# KiCad board panel-74pad-70pin-mezzanine.kicad_pcb (continued)
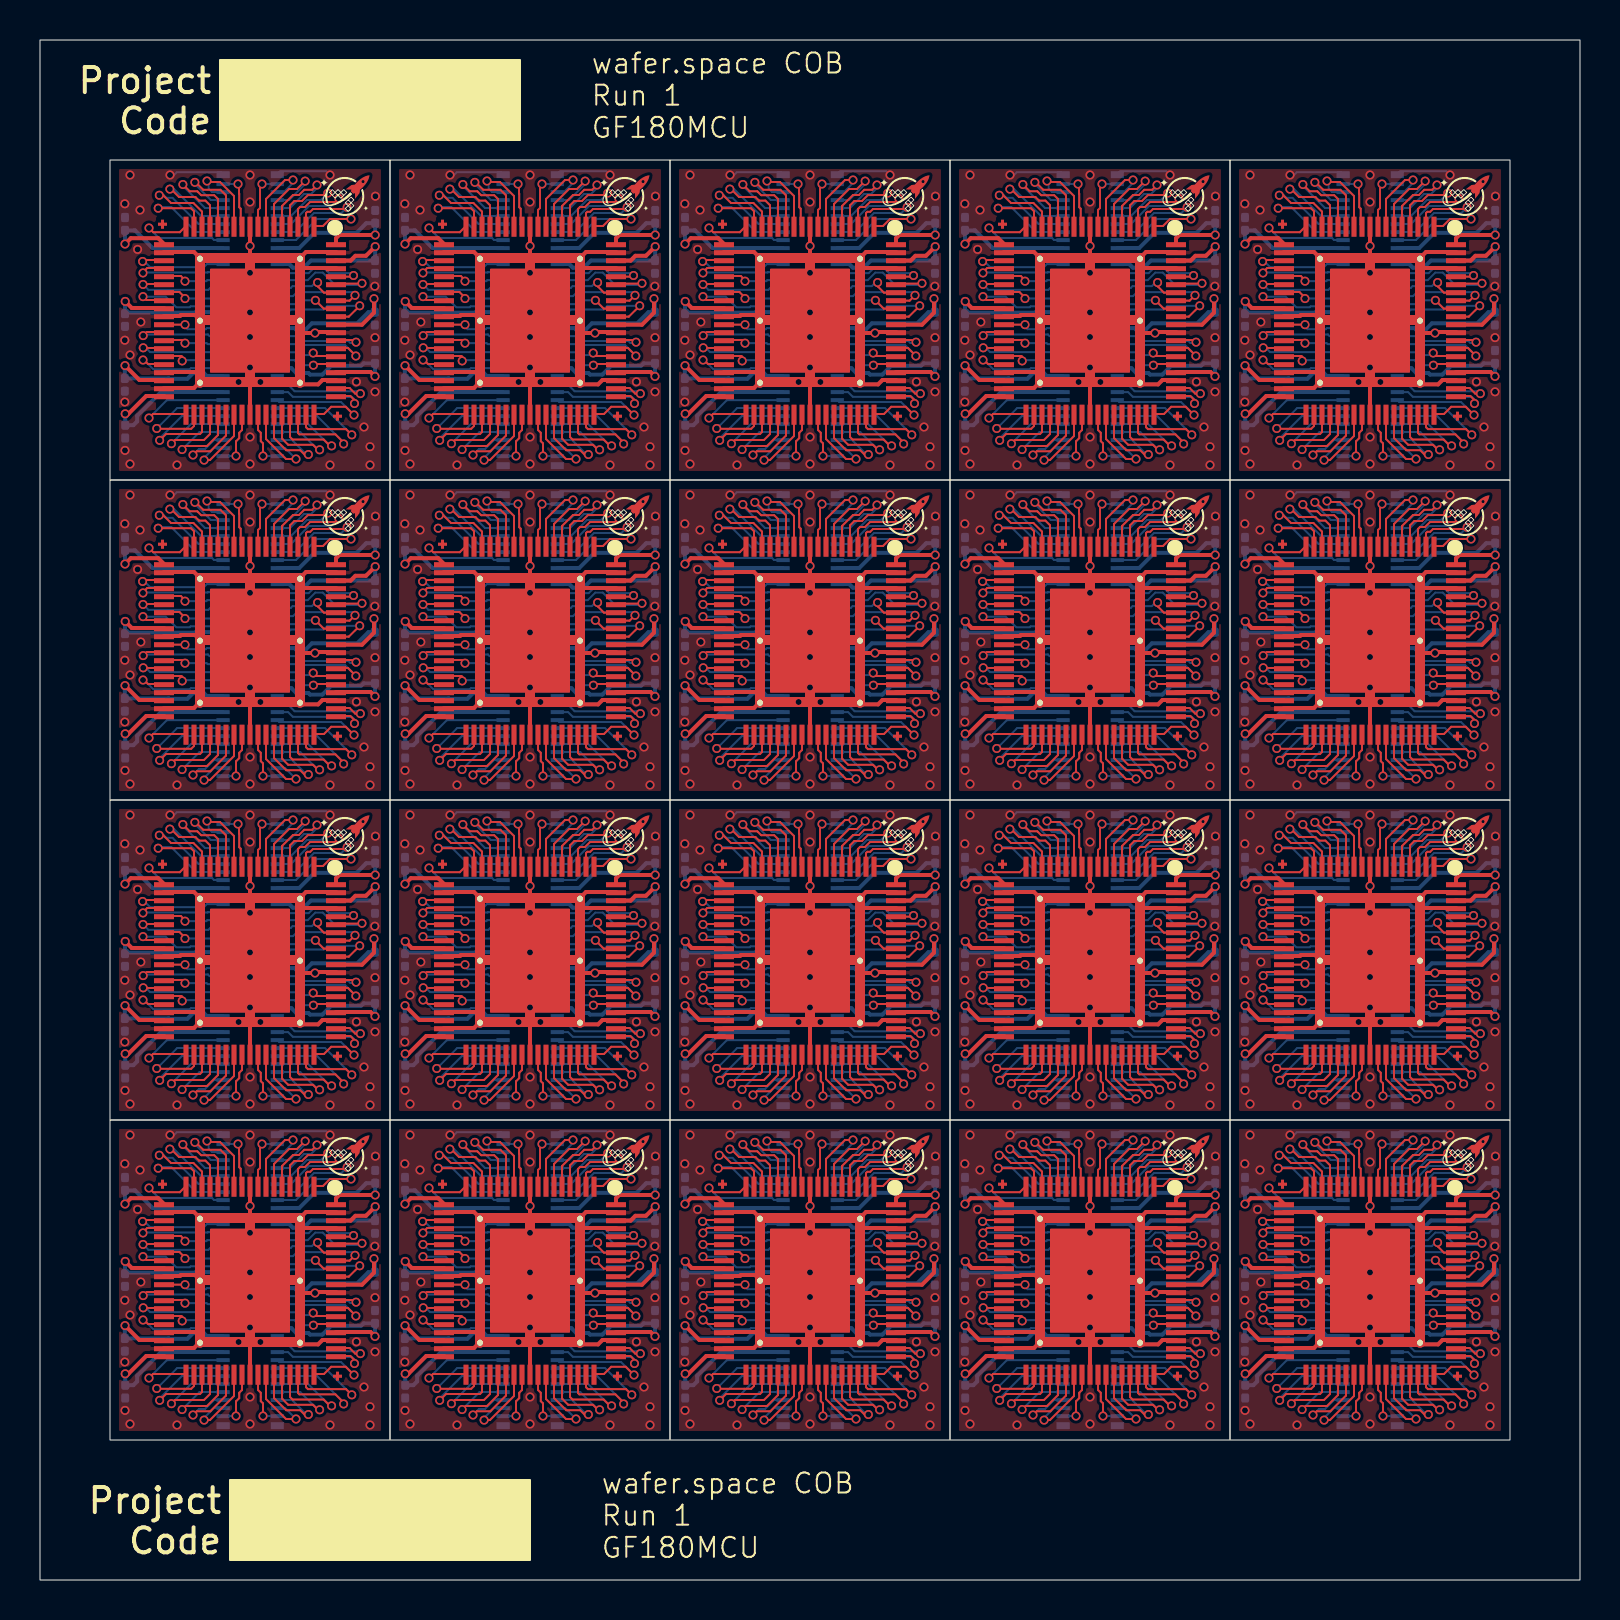
[diagram p0: board, top side]
## Routing (per net, layer and track width the routed paths; a pad name or vN(x,y) marks a point on that pad's centre or on a via; arc(x,y) is an arc through that point) (continued)
/pad_14: length 139.4
  Top w0.1: v1(19.97,21.24) 20.16,21.24 20.55,20.85 21.67,20.85 22.1,20.42 22.1,19.7 ; v1(33.97,53.24) 34.16,53.24 34.55,52.85 35.67,52.85 36.1,52.42 36.1,51.7 ; v1(47.97,21.24) 48.16,21.24 48.55,20.85 49.67,20.85 50.1,20.42 50.1,19.7 ; 64.1,35.7 64.1,36.42 63.67,36.85 62.55,36.85 62.16,37.24 v1(61.97,37.24) ; 8.1,35.7 8.1,36.42 7.67,36.85 6.55,36.85 6.16,37.24 v1(5.97,37.24) ; 50.1,35.7 50.1,36.42 49.67,36.85 48.55,36.85 48.16,37.24 v1(47.97,37.24) ; 22.1,51.7 22.1,52.42 21.67,52.85 20.55,52.85 20.16,53.24 v1(19.97,53.24) ; 64.1,67.7 64.1,68.42 63.67,68.85 62.55,68.85 62.16,69.24 v1(61.97,69.24) ; 8.1,19.7 8.1,20.42 7.67,20.85 6.55,20.85 6.16,21.24 v1(5.97,21.24) ; 8.1,51.7 8.1,52.42 7.67,52.85 6.55,52.85 6.16,53.24 v1(5.97,53.24) ; v1(33.97,21.24) 34.16,21.24 34.55,20.85 35.67,20.85 36.1,20.42 36.1,19.7 ; v1(19.97,69.24) 20.16,69.24 20.55,68.85 21.67,68.85 22.1,68.42 22.1,67.7 ; v1(5.97,69.24) 6.16,69.24 6.55,68.85 7.67,68.85 8.1,68.42 8.1,67.7 ; 36.1,35.7 36.1,36.42 35.67,36.85 34.55,36.85 34.16,37.24 v1(33.97,37.24) ; v1(61.97,21.24) 62.16,21.24 62.55,20.85 63.67,20.85 64.1,20.42 64.1,19.7 ; v1(19.97,37.24) 20.16,37.24 20.55,36.85 21.67,36.85 22.1,36.42 22.1,35.7 ; 50.1,67.7 50.1,68.42 49.67,68.85 48.55,68.85 48.16,69.24 v1(47.97,69.24) ; v1(33.97,69.24) 34.16,69.24 34.55,68.85 35.67,68.85 36.1,68.42 36.1,67.7 ; v1(61.97,53.24) 62.16,53.24 62.55,52.85 63.67,52.85 64.1,52.42 64.1,51.7 ; 50.1,51.7 50.1,52.42 49.67,52.85 48.55,52.85 48.16,53.24 v1(47.97,53.24)
  Bottom w0.1: 9.15,67.8 7.93,67.8 6.62,69.11 6.31,69.11 6.18,69.24 v1(5.97,69.24) ; 65.15,19.8 63.93,19.8 62.62,21.11 62.31,21.11 62.18,21.24 v1(61.97,21.24) ; 23.15,51.8 21.93,51.8 20.62,53.11 20.31,53.11 20.18,53.24 v1(19.97,53.24) ; v1(61.97,69.24) 62.18,69.24 62.31,69.11 62.62,69.11 63.93,67.8 65.15,67.8 ; v1(47.97,37.24) 48.18,37.24 48.31,37.11 48.62,37.11 49.93,35.8 51.15,35.8 ; v1(19.97,69.24) 20.18,69.24 20.31,69.11 20.62,69.11 21.93,67.8 23.15,67.8 ; 65.15,51.8 63.93,51.8 62.62,53.11 62.31,53.11 62.18,53.24 v1(61.97,53.24) ; 51.15,67.8 49.93,67.8 48.62,69.11 48.31,69.11 48.18,69.24 v1(47.97,69.24) ; 23.15,35.8 21.93,35.8 20.62,37.11 20.31,37.11 20.18,37.24 v1(19.97,37.24) ; 51.15,19.8 49.93,19.8 48.62,21.11 48.31,21.11 48.18,21.24 v1(47.97,21.24) ; v1(33.97,69.24) 34.18,69.24 34.31,69.11 34.62,69.11 35.93,67.8 37.15,67.8 ; 9.15,51.8 7.93,51.8 6.62,53.11 6.31,53.11 6.18,53.24 v1(5.97,53.24) ; 9.15,19.8 7.93,19.8 6.62,21.11 6.31,21.11 6.18,21.24 v1(5.97,21.24) ; v1(33.97,53.24) 34.18,53.24 34.31,53.11 34.62,53.11 35.93,51.8 37.15,51.8 ; 9.15,35.8 7.93,35.8 6.62,37.11 6.31,37.11 6.18,37.24 v1(5.97,37.24) ; 65.15,35.8 63.93,35.8 62.62,37.11 62.31,37.11 62.18,37.24 v1(61.97,37.24) ; v1(33.97,37.24) 34.18,37.24 34.31,37.11 34.62,37.11 35.93,35.8 37.15,35.8 ; v1(47.97,53.24) 48.18,53.24 48.31,53.11 48.62,53.11 49.93,51.8 51.15,51.8 ; 37.15,19.8 35.93,19.8 34.62,21.11 34.31,21.11 34.18,21.24 v1(33.97,21.24) ; v1(19.97,21.24) 20.18,21.24 20.31,21.11 20.62,21.11 21.93,19.8 23.15,19.8
/pad_15: length 127.4
  Top w0.1: v1(33.91,20.59) 35.55,20.59 35.7,20.44 35.7,19.7 ; 21.7,35.7 21.7,36.44 21.55,36.59 v1(19.91,36.59) ; 49.7,19.7 49.7,20.44 49.55,20.59 v1(47.91,20.59) ; v1(61.91,20.59) 63.55,20.59 63.7,20.44 63.7,19.7 ; v1(5.91,20.59) 7.55,20.59 7.7,20.44 7.7,19.7 ; v1(19.91,52.59) 21.55,52.59 21.7,52.44 21.7,51.7 ; v1(47.91,52.59) 49.55,52.59 49.7,52.44 49.7,51.7 ; v1(47.91,36.59) 49.55,36.59 49.7,36.44 49.7,35.7 ; v1(47.91,68.59) 49.55,68.59 49.7,68.44 49.7,67.7 ; 63.7,51.7 63.7,52.44 63.55,52.59 v1(61.91,52.59) ; v1(33.91,52.59) 35.55,52.59 35.7,52.44 35.7,51.7 ; v1(33.91,36.59) 35.55,36.59 35.7,36.44 35.7,35.7 ; 7.7,51.7 7.7,52.44 7.55,52.59 v1(5.91,52.59) ; 35.7,67.7 35.7,68.44 35.55,68.59 v1(33.91,68.59) ; 7.7,67.7 7.7,68.44 7.55,68.59 v1(5.91,68.59) ; v1(19.91,68.59) 21.55,68.59 21.7,68.44 21.7,67.7 ; 63.7,67.7 63.7,68.44 63.55,68.59 v1(61.91,68.59) ; 7.7,35.7 7.7,36.44 7.55,36.59 v1(5.91,36.59) ; 63.7,35.7 63.7,36.44 63.55,36.59 v1(61.91,36.59) ; 21.7,19.7 21.7,20.44 21.55,20.59 v1(19.91,20.59)
  Bottom w0.1: v1(61.91,20.59) 61.97,20.65 62.56,20.65 63.81,19.4 65.15,19.4 ; 23.15,35.4 21.81,35.4 20.56,36.65 19.97,36.65 v1(19.91,36.59) ; v1(5.91,68.59) 5.97,68.65 6.56,68.65 7.81,67.4 9.15,67.4 ; v1(61.91,36.59) 61.97,36.65 62.56,36.65 63.81,35.4 65.15,35.4 ; 37.15,67.4 35.81,67.4 34.56,68.65 33.97,68.65 v1(33.91,68.59) ; 65.15,51.4 63.81,51.4 62.56,52.65 61.97,52.65 v1(61.91,52.59) ; 51.15,67.4 49.81,67.4 48.56,68.65 47.97,68.65 v1(47.91,68.59) ; 37.15,35.4 35.81,35.4 34.56,36.65 33.97,36.65 v1(33.91,36.59) ; 23.15,51.4 21.81,51.4 20.56,52.65 19.97,52.65 v1(19.91,52.59) ; 51.15,51.4 49.81,51.4 48.56,52.65 47.97,52.65 v1(47.91,52.59) ; 37.15,51.4 35.81,51.4 34.56,52.65 33.97,52.65 v1(33.91,52.59) ; v1(61.91,68.59) 61.97,68.65 62.56,68.65 63.81,67.4 65.15,67.4 ; v1(5.91,52.59) 5.97,52.65 6.56,52.65 7.81,51.4 9.15,51.4 ; v1(47.91,36.59) 47.97,36.65 48.56,36.65 49.81,35.4 51.15,35.4 ; 51.15,19.4 49.81,19.4 48.56,20.65 47.97,20.65 v1(47.91,20.59) ; v1(33.91,20.59) 33.97,20.65 34.56,20.65 35.81,19.4 37.15,19.4 ; 23.15,19.4 21.81,19.4 20.56,20.65 19.97,20.65 v1(19.91,20.59) ; 9.15,19.4 7.81,19.4 6.56,20.65 5.97,20.65 v1(5.91,20.59) ; 23.15,67.4 21.81,67.4 20.56,68.65 19.97,68.65 v1(19.91,68.59) ; 9.15,35.4 7.81,35.4 6.56,36.65 5.97,36.65 v1(5.91,36.59)
/pad_16: length 120.2
  Top w0.1: 35.3,67.7 34.99,67.39 33.66,67.39 v1(33.45,67.6) ; v1(5.45,51.6) 5.66,51.39 6.99,51.39 7.3,51.7 ; 49.3,51.7 48.99,51.39 47.66,51.39 v1(47.45,51.6) ; 35.3,19.7 34.99,19.39 33.66,19.39 v1(33.45,19.6) ; v1(61.45,51.6) 61.66,51.39 62.99,51.39 63.3,51.7 ; v1(5.45,35.6) 5.66,35.39 6.99,35.39 7.3,35.7 ; 21.3,51.7 20.99,51.39 19.66,51.39 v1(19.45,51.6) ; v1(61.45,67.6) 61.66,67.39 62.99,67.39 63.3,67.7 ; 35.3,35.7 34.99,35.39 33.66,35.39 v1(33.45,35.6) ; 63.3,19.7 62.99,19.39 61.66,19.39 v1(61.45,19.6) ; v1(5.45,19.6) 5.66,19.39 6.99,19.39 7.3,19.7 ; v1(47.45,19.6) 47.66,19.39 48.99,19.39 49.3,19.7 ; 49.3,35.7 48.99,35.39 47.66,35.39 v1(47.45,35.6) ; 35.3,51.7 34.99,51.39 33.66,51.39 v1(33.45,51.6) ; 63.3,35.7 62.99,35.39 61.66,35.39 v1(61.45,35.6) ; v1(47.45,67.6) 47.66,67.39 48.99,67.39 49.3,67.7 ; v1(5.45,67.6) 5.66,67.39 6.99,67.39 7.3,67.7 ; v1(19.45,35.6) 19.66,35.39 20.99,35.39 21.3,35.7 ; v1(19.45,19.6) 19.66,19.39 20.99,19.39 21.3,19.7 ; v1(19.45,67.6) 19.66,67.39 20.99,67.39 21.3,67.7
  Bottom w0.1: v1(19.45,19.6) 19.95,19.1 22.6,19.1 22.7,19 23.15,19 ; 37.15,35 36.7,35 36.6,35.1 33.95,35.1 v1(33.45,35.6) ; v1(47.45,51.6) 47.95,51.1 50.6,51.1 50.7,51 51.15,51 ; v1(47.45,35.6) 47.95,35.1 50.6,35.1 50.7,35 51.15,35 ; 23.15,51 22.7,51 22.6,51.1 19.95,51.1 v1(19.45,51.6) ; v1(61.45,19.6) 61.95,19.1 64.6,19.1 64.7,19 65.15,19 ; 65.15,35 64.7,35 64.6,35.1 61.95,35.1 v1(61.45,35.6) ; v1(5.45,35.6) 5.95,35.1 8.6,35.1 8.7,35 9.15,35 ; v1(61.45,51.6) 61.95,51.1 64.6,51.1 64.7,51 65.15,51 ; v1(47.45,67.6) 47.95,67.1 50.6,67.1 50.7,67 51.15,67 ; v1(19.45,35.6) 19.95,35.1 22.6,35.1 22.7,35 23.15,35 ; 23.15,67 22.7,67 22.6,67.1 19.95,67.1 v1(19.45,67.6) ; v1(5.45,67.6) 5.95,67.1 8.6,67.1 8.7,67 9.15,67 ; v1(33.45,19.6) 33.95,19.1 36.6,19.1 36.7,19 37.15,19 ; v1(33.45,67.6) 33.95,67.1 36.6,67.1 36.7,67 37.15,67 ; v1(5.45,51.6) 5.95,51.1 8.6,51.1 8.7,51 9.15,51 ; 51.15,19 50.7,19 50.6,19.1 47.95,19.1 v1(47.45,19.6) ; v1(5.45,19.6) 5.95,19.1 8.6,19.1 8.7,19 9.15,19 ; v1(61.45,67.6) 61.95,67.1 64.6,67.1 64.7,67 65.15,67 ; v1(33.45,51.6) 33.95,51.1 36.6,51.1 36.7,51 37.15,51
/pad_19: length 106.8
  Top w0.1: 62.2,34 61.2,34 v1(61.13,33.93) ; 34.2,50 33.2,50 v1(33.13,49.93) ; 48.2,18 47.2,18 v1(47.13,17.93) ; v1(5.13,33.93) 5.2,34 6.2,34 ; v1(19.13,33.93) 19.2,34 20.2,34 ; 20.2,50 19.2,50 v1(19.13,49.93) ; 6.2,18 5.2,18 v1(5.13,17.93) ; v1(61.13,17.93) 61.2,18 62.2,18 ; 6.2,66 5.2,66 v1(5.13,65.93) ; 20.2,18 19.2,18 v1(19.13,17.93) ; 20.2,66 19.2,66 v1(19.13,65.93) ; 62.2,66 61.2,66 v1(61.13,65.93) ; 34.2,66 33.2,66 v1(33.13,65.93) ; v1(5.13,49.93) 5.2,50 6.2,50 ; 62.2,50 61.2,50 v1(61.13,49.93) ; v1(33.13,17.93) 33.2,18 34.2,18 ; 48.2,50 47.2,50 v1(47.13,49.93) ; 48.2,66 47.2,66 v1(47.13,65.93) ; 48.2,34 47.2,34 v1(47.13,33.93) ; 34.2,34 33.2,34 v1(33.13,33.93)
  Bottom w0.1: U117.60 50.35,49.8 50.19,49.64 47.51,49.64 47.19,49.96 47.16,49.96 v1(47.13,49.93) ; U115.60 36.35,49.8 36.19,49.64 33.51,49.64 33.19,49.96 33.16,49.96 v1(33.13,49.93) ; U107.60 50.35,65.8 50.19,65.64 47.51,65.64 47.19,65.96 47.16,65.96 v1(47.13,65.93) ; v1(61.13,17.93) 61.16,17.96 61.19,17.96 61.51,17.64 64.19,17.64 64.34,17.8 U139.60 ; v1(19.13,33.93) 19.16,33.96 19.19,33.96 19.51,33.64 22.19,33.64 22.35,33.8 U123.60 ; U127.60 50.35,33.8 50.19,33.64 47.51,33.64 47.19,33.96 47.16,33.96 v1(47.13,33.93) ; v1(5.13,17.93) 5.16,17.96 5.19,17.96 5.51,17.64 8.19,17.64 8.35,17.8 U131.60 ; U113.60 22.35,49.8 22.19,49.64 19.51,49.64 19.19,49.96 19.16,49.96 v1(19.13,49.93) ; v1(5.13,49.93) 5.16,49.96 5.19,49.96 5.51,49.64 8.19,49.64 8.35,49.8 U111.60 ; U133.60 22.35,17.8 22.19,17.64 19.51,17.64 19.19,17.96 19.16,17.96 v1(19.13,17.93) ; U109.60 64.34,65.8 64.19,65.64 61.51,65.64 61.19,65.96 61.16,65.96 v1(61.13,65.93) ; U101.60 8.35,65.8 8.19,65.64 5.51,65.64 5.19,65.96 5.16,65.96 v1(5.13,65.93) ; v1(19.13,65.93) 19.16,65.96 19.19,65.96 19.51,65.64 22.19,65.64 22.35,65.8 U103.60 ; v1(61.13,33.93) 61.16,33.96 61.19,33.96 61.51,33.64 64.19,33.64 64.34,33.8 U129.60 ; v1(47.13,17.93) 47.16,17.96 47.19,17.96 47.51,17.64 50.19,17.64 50.35,17.8 U137.60 ; U105.60 36.35,65.8 36.19,65.64 33.51,65.64 33.19,65.96 33.16,65.96 v1(33.13,65.93) ; v1(33.13,17.93) 33.16,17.96 33.19,17.96 33.51,17.64 36.19,17.64 36.35,17.8 U135.60 ; U121.60 8.35,33.8 8.19,33.64 5.51,33.64 5.19,33.96 5.16,33.96 v1(5.13,33.93) ; v1(33.13,33.93) 33.16,33.96 33.19,33.96 33.51,33.64 36.19,33.64 36.35,33.8 U125.60 ; U119.60 64.34,49.8 64.19,49.64 61.51,49.64 61.19,49.96 61.16,49.96 v1(61.13,49.93)
/pad_20: length 104.2
  Top w0.1: 34.2,49.6 33.36,49.6 33.15,49.39 v1(33.15,49.35) ; v1(61.15,33.35) 61.15,33.39 61.36,33.6 62.2,33.6 ; v1(33.15,33.35) 33.15,33.39 33.36,33.6 34.2,33.6 ; v1(5.15,17.35) 5.15,17.39 5.36,17.6 6.2,17.6 ; v1(19.15,49.35) 19.15,49.39 19.36,49.6 20.2,49.6 ; 62.2,65.6 61.36,65.6 61.15,65.39 v1(61.15,65.35) ; 62.2,49.6 61.36,49.6 61.15,49.39 v1(61.15,49.35) ; v1(19.15,65.35) 19.15,65.39 19.36,65.6 20.2,65.6 ; 48.2,49.6 47.36,49.6 47.15,49.39 v1(47.15,49.35) ; v1(5.15,33.35) 5.15,33.39 5.36,33.6 6.2,33.6 ; 48.2,17.6 47.36,17.6 47.15,17.39 v1(47.15,17.35) ; 48.2,65.6 47.36,65.6 47.15,65.39 v1(47.15,65.35) ; v1(19.15,33.35) 19.15,33.39 19.36,33.6 20.2,33.6 ; 6.2,49.6 5.36,49.6 5.15,49.39 v1(5.15,49.35) ; v1(61.15,17.35) 61.15,17.39 61.36,17.6 62.2,17.6 ; 6.2,65.6 5.36,65.6 5.15,65.39 v1(5.15,65.35) ; v1(33.15,65.35) 33.15,65.39 33.36,65.6 34.2,65.6 ; v1(19.15,17.35) 19.15,17.39 19.36,17.6 20.2,17.6 ; v1(47.15,33.35) 47.15,33.39 47.36,33.6 48.2,33.6 ; v1(33.15,17.35) 33.15,17.39 33.36,17.6 34.2,17.6
  Bottom w0.1: U109.59 64.4,65.4 64.38,65.38 61.16,65.38 61.15,65.37 v1(61.15,65.35) ; U101.59 8.4,65.4 8.38,65.38 5.16,65.38 5.15,65.37 v1(5.15,65.35) ; v1(5.15,49.35) 5.15,49.37 5.16,49.38 8.38,49.38 8.4,49.39 9.15,49.39 ; 65.16,49.39 64.4,49.39 64.38,49.38 61.16,49.38 61.15,49.37 v1(61.15,49.35) ; v1(19.15,49.35) 19.15,49.37 19.16,49.38 22.38,49.38 22.4,49.39 23.15,49.39 ; v1(47.15,33.35) 47.15,33.37 47.16,33.38 50.38,33.38 50.4,33.39 51.15,33.39 ; v1(47.15,17.35) 47.15,17.37 47.16,17.38 50.38,17.38 50.4,17.39 51.15,17.39 ; v1(47.15,65.35) 47.15,65.37 47.16,65.38 50.38,65.38 50.4,65.4 U107.59 ; v1(33.15,65.35) 33.15,65.37 33.16,65.38 36.38,65.38 36.4,65.4 U105.59 ; v1(33.15,17.35) 33.15,17.37 33.16,17.38 36.38,17.38 36.4,17.39 37.15,17.39 ; 9.15,17.39 8.4,17.39 8.38,17.38 5.16,17.38 5.15,17.37 v1(5.15,17.35) ; 37.15,33.39 36.4,33.39 36.38,33.38 33.16,33.38 33.15,33.37 v1(33.15,33.35) ; v1(5.15,33.35) 5.15,33.37 5.16,33.38 8.38,33.38 8.4,33.39 9.15,33.39 ; v1(47.15,49.35) 47.15,49.37 47.16,49.38 50.38,49.38 50.4,49.39 51.15,49.39 ; v1(61.15,33.35) 61.15,33.37 61.16,33.38 64.38,33.38 64.4,33.39 65.16,33.39 ; 23.15,17.39 22.4,17.39 22.38,17.38 19.16,17.38 19.15,17.37 v1(19.15,17.35) ; 23.15,33.39 22.4,33.39 22.38,33.38 19.16,33.38 19.15,33.37 v1(19.15,33.35) ; 65.16,17.39 64.4,17.39 64.38,17.38 61.16,17.38 61.15,17.37 v1(61.15,17.35) ; U103.59 22.4,65.4 22.38,65.38 19.16,65.38 19.15,65.37 v1(19.15,65.35) ; v1(33.15,49.35) 33.15,49.37 33.16,49.38 36.38,49.38 36.4,49.39 37.15,49.39
/pad_21: length 62.3
  Top w0.1: v1(35.25,16.94) 35.25,16.99 35.04,17.2 34.2,17.2 ; v1(35.25,32.94) 35.25,32.99 35.04,33.2 34.2,33.2 ; 20.2,49.2 21.04,49.2 21.25,48.99 v1(21.25,48.94) ; 34.2,65.2 35.04,65.2 35.25,64.99 v1(35.25,64.94) ; 62.2,17.2 63.04,17.2 63.25,16.99 v1(63.25,16.94) ; 62.2,33.2 63.04,33.2 63.25,32.99 v1(63.25,32.94) ; v1(49.25,64.94) 49.25,64.99 49.04,65.2 48.2,65.2 ; v1(49.25,16.94) 49.25,16.99 49.04,17.2 48.2,17.2 ; 6.2,49.2 7.04,49.2 7.25,48.99 v1(7.25,48.94) ; v1(21.25,64.94) 21.25,64.99 21.04,65.2 20.2,65.2 ; v1(49.25,32.94) 49.25,32.99 49.04,33.2 48.2,33.2 ; v1(63.25,64.94) 63.25,64.99 63.04,65.2 62.2,65.2 ; 6.2,65.2 7.04,65.2 7.25,64.99 v1(7.25,64.94) ; 48.2,49.2 49.04,49.2 49.25,48.99 v1(49.25,48.94) ; 20.2,17.2 21.04,17.2 21.25,16.99 v1(21.25,16.94) ; 20.2,33.2 21.04,33.2 21.25,32.99 v1(21.25,32.94) ; 6.2,33.2 7.04,33.2 7.25,32.99 v1(7.25,32.94) ; v1(35.25,48.94) 35.25,48.99 35.04,49.2 34.2,49.2 ; 62.2,49.2 63.04,49.2 63.25,48.99 v1(63.25,48.94) ; v1(7.25,16.94) 7.25,16.99 7.04,17.2 6.2,17.2
  Bottom w0.1: v1(49.25,32.94) 49.25,32.94 50.31,32.94 50.36,33 U127.58 ; v1(35.25,32.94) 35.25,32.94 36.31,32.94 36.36,33 U125.58 ; U101.58 8.36,65 8.31,64.94 7.25,64.94 v1(7.25,64.94) ; U135.58 36.36,17 36.31,16.94 35.25,16.94 v1(35.25,16.94) ; U107.58 50.36,65 50.31,64.94 49.25,64.94 v1(49.25,64.94) ; U105.58 36.36,65 36.31,64.94 35.25,64.94 v1(35.25,64.94) ; U115.58 36.36,49 36.31,48.94 35.25,48.94 v1(35.25,48.94) ; U103.58 22.36,65 22.31,64.94 21.25,64.94 v1(21.25,64.94) ; v1(21.25,48.94) 21.25,48.94 22.31,48.94 22.36,49 U113.58 ; v1(63.25,32.94) 63.25,32.94 64.31,32.94 64.36,33 U129.58 ; U111.58 8.36,49 8.31,48.94 7.25,48.94 v1(7.25,48.94) ; U131.58 8.36,17 8.31,16.94 7.25,16.94 v1(7.25,16.94) ; U109.58 64.36,65 64.31,64.94 63.25,64.94 v1(63.25,64.94) ; v1(21.25,32.94) 21.25,32.94 22.31,32.94 22.36,33 U123.58 ; v1(49.25,16.94) 49.25,16.94 50.31,16.94 50.36,17 U137.58 ; v1(21.25,16.94) 21.25,16.94 22.31,16.94 22.36,17 U133.58 ; U119.58 64.36,49 64.31,48.94 63.25,48.94 v1(63.25,48.94) ; v1(49.25,48.94) 49.25,48.94 50.31,48.94 50.36,49 U117.58 ; v1(63.25,16.94) 63.25,16.94 64.31,16.94 64.36,17 U139.58 ; v1(7.25,32.94) 7.25,32.94 8.31,32.94 8.36,33 U121.58
/pad_22: length 104.2
  Top w0.1: 62.2,32.8 61.17,32.8 v1(61.15,32.78) ; v1(61.15,16.78) 61.17,16.8 62.2,16.8 ; v1(19.15,64.78) 19.17,64.8 20.2,64.8 ; 48.2,32.8 47.17,32.8 v1(47.15,32.78) ; 20.2,48.8 19.17,48.8 v1(19.15,48.78) ; v1(33.15,64.78) 33.17,64.8 34.2,64.8 ; 6.2,32.8 5.17,32.8 v1(5.15,32.78) ; 6.2,64.8 5.17,64.8 v1(5.15,64.78) ; 20.2,16.8 19.17,16.8 v1(19.15,16.78) ; v1(47.15,48.78) 47.17,48.8 48.2,48.8 ; v1(5.15,48.78) 5.17,48.8 6.2,48.8 ; 62.2,64.8 61.17,64.8 v1(61.15,64.78) ; v1(33.15,32.78) 33.17,32.8 34.2,32.8 ; v1(33.15,48.78) 33.17,48.8 34.2,48.8 ; 48.2,16.8 47.17,16.8 v1(47.15,16.78) ; 20.2,32.8 19.17,32.8 v1(19.15,32.78) ; v1(5.15,16.78) 5.17,16.8 6.2,16.8 ; 34.2,16.8 33.17,16.8 v1(33.15,16.78) ; 48.2,64.8 47.17,64.8 v1(47.15,64.78) ; v1(61.15,48.78) 61.17,48.8 62.2,48.8
  Bottom w0.1: v1(47.15,48.78) 47.42,48.51 50.42,48.51 50.51,48.59 U117.57 ; U107.57 50.51,64.59 50.42,64.51 47.42,64.51 v1(47.15,64.78) ; v1(33.15,32.78) 33.42,32.51 36.42,32.51 36.51,32.59 U125.57 ; U123.57 22.51,32.59 22.42,32.51 19.42,32.51 v1(19.15,32.78) ; v1(5.15,48.78) 5.42,48.51 8.42,48.51 8.51,48.59 U111.57 ; U135.57 36.51,16.59 36.42,16.51 33.42,16.51 v1(33.15,16.78) ; v1(61.15,48.78) 61.42,48.51 64.42,48.51 64.51,48.59 U119.57 ; U139.57 64.51,16.59 64.42,16.51 61.42,16.51 v1(61.15,16.78) ; v1(19.15,64.78) 19.42,64.51 22.42,64.51 22.51,64.59 U103.57 ; U109.57 64.51,64.59 64.42,64.51 61.42,64.51 v1(61.15,64.78) ; v1(5.15,32.78) 5.42,32.51 8.42,32.51 8.51,32.59 U121.57 ; U127.57 50.51,32.59 50.42,32.51 47.42,32.51 v1(47.15,32.78) ; U101.57 8.51,64.59 8.42,64.51 5.42,64.51 v1(5.15,64.78) ; U137.57 50.51,16.59 50.42,16.51 47.42,16.51 v1(47.15,16.78) ; v1(19.15,16.78) 19.42,16.51 22.42,16.51 22.51,16.59 U133.57 ; U105.57 36.51,64.59 36.42,64.51 33.42,64.51 v1(33.15,64.78) ; v1(5.15,16.78) 5.42,16.51 8.42,16.51 8.51,16.59 U131.57 ; U113.57 22.51,48.59 22.42,48.51 19.42,48.51 v1(19.15,48.78) ; v1(61.15,32.78) 61.42,32.51 64.42,32.51 64.51,32.59 U129.57 ; U115.57 36.51,48.59 36.42,48.51 33.42,48.51 v1(33.15,48.78)
/pad_23: length 63.4
  Top w0.1: 34.2,48.4 34.97,48.4 35.25,48.12 v1(35.25,48.07) ; 48.2,64.4 48.97,64.4 49.25,64.12 v1(49.25,64.07) ; 20.2,64.4 20.97,64.4 21.25,64.12 v1(21.25,64.07) ; v1(35.25,16.07) 35.25,16.12 34.97,16.4 34.2,16.4 ; v1(63.25,16.07) 63.25,16.12 62.97,16.4 62.2,16.4 ; 48.2,32.4 48.97,32.4 49.25,32.12 v1(49.25,32.07) ; v1(21.25,48.07) 21.25,48.12 20.97,48.4 20.2,48.4 ; v1(35.25,32.07) 35.25,32.12 34.97,32.4 34.2,32.4 ; 6.2,64.4 6.97,64.4 7.25,64.12 v1(7.25,64.07) ; v1(63.25,64.07) 63.25,64.12 62.97,64.4 62.2,64.4 ; 62.2,48.4 62.97,48.4 63.25,48.12 v1(63.25,48.07) ; v1(49.25,16.07) 49.25,16.12 48.97,16.4 48.2,16.4 ; v1(63.25,32.07) 63.25,32.12 62.97,32.4 62.2,32.4 ; 34.2,64.4 34.97,64.4 35.25,64.12 v1(35.25,64.07) ; v1(21.25,16.07) 21.25,16.12 20.97,16.4 20.2,16.4 ; v1(21.25,32.07) 21.25,32.12 20.97,32.4 20.2,32.4 ; 48.2,48.4 48.97,48.4 49.25,48.12 v1(49.25,48.07) ; 6.2,48.4 6.97,48.4 7.25,48.12 v1(7.25,48.07) ; v1(7.25,16.07) 7.25,16.12 6.97,16.4 6.2,16.4 ; v1(7.25,32.07) 7.25,32.12 6.97,32.4 6.2,32.4
  Bottom w0.1: v1(21.25,32.07) 22.6,32.07 22.72,32.2 U123.56 ; U105.56 36.72,64.19 36.6,64.07 v1(35.25,64.07) ; U117.56 50.72,48.2 50.6,48.07 v1(49.25,48.07) ; U139.56 64.72,16.2 64.6,16.07 v1(63.25,16.07) ; v1(21.25,16.07) 22.6,16.07 22.72,16.2 U133.56 ; U103.56 22.72,64.19 22.6,64.07 v1(21.25,64.07) ; v1(63.25,64.07) 64.6,64.07 64.72,64.19 U109.56 ; U115.56 36.72,48.2 36.6,48.07 v1(35.25,48.07) ; v1(49.25,64.07) 50.6,64.07 50.72,64.19 U107.56 ; U121.56 8.72,32.2 8.6,32.07 v1(7.25,32.07) ; v1(7.25,48.07) 8.6,48.07 8.72,48.2 U111.56 ; v1(63.25,32.07) 64.6,32.07 64.72,32.2 U129.56 ; v1(35.25,32.07) 36.6,32.07 36.72,32.2 U125.56 ; v1(49.25,16.07) 50.6,16.07 50.72,16.2 U137.56 ; U101.56 8.72,64.19 8.6,64.07 v1(7.25,64.07) ; v1(7.25,16.07) 8.6,16.07 8.72,16.2 U131.56 ; U113.56 22.72,48.2 22.6,48.07 v1(21.25,48.07) ; U127.56 50.72,32.2 50.6,32.07 v1(49.25,32.07) ; U135.56 36.72,16.2 36.6,16.07 v1(35.25,16.07) ; U119.56 64.72,48.2 64.6,48.07 v1(63.25,48.07)
/pad_24: length 108.2
  Top w0.1: 6.2,48 5.32,48 v1(5.15,48.17) ; 6.2,16 5.32,16 v1(5.15,16.17) ; 20.2,32 19.32,32 v1(19.15,32.17) ; v1(19.15,64.17) 19.32,64 20.2,64 ; 6.2,64 5.32,64 v1(5.15,64.17) ; 34.2,48 33.32,48 v1(33.15,48.17) ; v1(61.15,32.17) 61.32,32 62.2,32 ; 62.2,64 61.32,64 v1(61.15,64.17) ; 6.2,32 5.32,32 v1(5.15,32.17) ; v1(61.15,16.17) 61.32,16 62.2,16 ; 20.2,48 19.32,48 v1(19.15,48.17) ; 48.2,16 47.32,16 v1(47.15,16.17) ; 34.2,64 33.32,64 v1(33.15,64.17) ; v1(47.15,48.17) 47.32,48 48.2,48 ; v1(33.15,16.17) 33.32,16 34.2,16 ; v1(47.15,32.17) 47.32,32 48.2,32 ; 20.2,16 19.32,16 v1(19.15,16.17) ; 62.2,48 61.32,48 v1(61.15,48.17) ; 34.2,32 33.32,32 v1(33.15,32.17) ; 48.2,64 47.32,64 v1(47.15,64.17)
  Bottom w0.1: v1(61.15,16.17) 61.32,16.17 62.28,16.17 62.81,15.64 63.49,15.64 63.54,15.69 64.83,15.69 64.94,15.8 U139.55 ; v1(33.15,16.17) 33.32,16.17 34.28,16.17 34.81,15.64 35.49,15.64 35.54,15.69 36.83,15.69 36.94,15.8 U135.55 ; v1(61.15,32.17) 61.32,32.17 62.28,32.17 62.81,31.64 63.49,31.64 63.54,31.69 64.83,31.69 64.94,31.8 U129.55 ; U137.55 50.94,15.8 50.83,15.69 49.54,15.69 49.49,15.64 48.81,15.64 48.28,16.17 47.32,16.17 v1(47.15,16.17) ; U103.55 22.94,63.8 22.83,63.69 21.54,63.69 21.49,63.64 20.81,63.64 20.28,64.17 19.32,64.17 v1(19.15,64.17) ; v1(47.15,32.17) 47.32,32.17 48.28,32.17 48.81,31.64 49.49,31.64 49.54,31.69 50.83,31.69 50.94,31.8 U127.55 ; v1(47.15,48.17) 47.32,48.17 48.28,48.17 48.81,47.64 49.49,47.64 49.54,47.69 50.83,47.69 50.94,47.8 U117.55 ; v1(33.15,48.17) 33.32,48.17 34.28,48.17 34.81,47.64 35.49,47.64 35.54,47.69 36.83,47.69 36.94,47.8 U115.55 ; U113.55 22.94,47.8 22.83,47.69 21.54,47.69 21.49,47.64 20.81,47.64 20.28,48.17 19.32,48.17 v1(19.15,48.17) ; U111.55 8.94,47.8 8.83,47.69 7.54,47.69 7.49,47.64 6.81,47.64 6.28,48.17 5.32,48.17 v1(5.15,48.17) ; U121.55 8.94,31.8 8.83,31.69 7.54,31.69 7.49,31.64 6.81,31.64 6.28,32.17 5.32,32.17 v1(5.15,32.17) ; U101.55 8.94,63.8 8.83,63.69 7.54,63.69 7.49,63.64 6.81,63.64 6.28,64.17 5.32,64.17 v1(5.15,64.17) ; v1(33.15,32.17) 33.32,32.17 34.28,32.17 34.81,31.64 35.49,31.64 35.54,31.69 36.83,31.69 36.94,31.8 U125.55 ; v1(61.15,48.17) 61.32,48.17 62.28,48.17 62.81,47.64 63.49,47.64 63.54,47.69 64.83,47.69 64.94,47.8 U119.55 ; v1(61.15,64.17) 61.32,64.17 62.28,64.17 62.81,63.64 63.49,63.64 63.54,63.69 64.83,63.69 64.94,63.8 U109.55 ; U131.55 8.94,15.8 8.83,15.69 7.54,15.69 7.49,15.64 6.81,15.64 6.28,16.17 5.32,16.17 v1(5.15,16.17) ; U105.55 36.94,63.8 36.83,63.69 35.54,63.69 35.49,63.64 34.81,63.64 34.28,64.17 33.32,64.17 v1(33.15,64.17) ; v1(19.15,16.17) 19.32,16.17 20.28,16.17 20.81,15.64 21.49,15.64 21.54,15.69 22.83,15.69 22.94,15.8 U133.55 ; v1(47.15,64.17) 47.32,64.17 48.28,64.17 48.81,63.64 49.49,63.64 49.54,63.69 50.83,63.69 50.94,63.8 U107.55 ; v1(19.15,32.17) 19.32,32.17 20.28,32.17 20.81,31.64 21.49,31.64 21.54,31.69 22.83,31.69 22.94,31.8 U123.55
/pad_27: length 62.9
  Top w0.1: 34.2,46.8 34.24,46.77 v1(35.25,46.77) ; v1(21.25,30.77) 20.24,30.77 20.2,30.8 ; 20.2,14.8 20.24,14.77 v1(21.25,14.77) ; 48.2,46.8 48.24,46.77 v1(49.25,46.77) ; 34.2,30.8 34.24,30.77 v1(35.25,30.77) ; v1(49.25,30.77) 48.24,30.77 48.2,30.8 ; 6.2,14.8 6.24,14.77 v1(7.25,14.77) ; v1(49.25,62.77) 48.24,62.77 48.2,62.8 ; 20.2,46.8 20.24,46.77 v1(21.25,46.77) ; 62.2,14.8 62.24,14.77 v1(63.25,14.77) ; 34.2,14.8 34.24,14.77 v1(35.25,14.77) ; v1(63.25,46.77) 62.24,46.77 62.2,46.8 ; v1(7.25,46.77) 6.24,46.77 6.2,46.8 ; v1(63.25,62.77) 62.24,62.77 62.2,62.8 ; 48.2,14.8 48.24,14.77 v1(49.25,14.77) ; v1(7.25,62.77) 6.24,62.77 6.2,62.8 ; v1(7.25,30.77) 6.24,30.77 6.2,30.8 ; v1(63.25,30.77) 62.24,30.77 62.2,30.8 ; v1(35.25,62.77) 34.24,62.77 34.2,62.8 ; 20.2,62.8 20.24,62.77 v1(21.25,62.77)
  Bottom w0.1: U119.52 64.34,46.59 64.29,46.54 63.38,46.54 63.25,46.67 v1(63.25,46.77) ; U101.52 8.35,62.59 8.29,62.54 7.38,62.54 7.25,62.66 v1(7.25,62.77) ; U113.52 22.35,46.59 22.29,46.54 21.38,46.54 21.25,46.67 v1(21.25,46.77) ; v1(7.25,30.77) 7.25,30.67 7.38,30.54 8.29,30.54 8.35,30.59 U121.52 ; U135.52 36.35,14.59 36.29,14.54 35.38,14.54 35.25,14.67 v1(35.25,14.77) ; v1(7.25,14.77) 7.25,14.67 7.38,14.54 8.29,14.54 8.35,14.59 U131.52 ; U107.52 50.35,62.59 50.29,62.54 49.38,62.54 49.25,62.66 v1(49.25,62.77) ; U109.52 64.34,62.59 64.29,62.54 63.38,62.54 63.25,62.66 v1(63.25,62.77) ; U129.52 64.34,30.59 64.29,30.54 63.38,30.54 63.25,30.67 v1(63.25,30.77) ; v1(49.25,14.77) 49.25,14.67 49.38,14.54 50.29,14.54 50.35,14.59 U137.52 ; v1(21.25,14.77) 21.25,14.67 21.38,14.54 22.29,14.54 22.35,14.59 U133.52 ; U123.52 22.35,30.59 22.29,30.54 21.38,30.54 21.25,30.67 v1(21.25,30.77) ; U111.52 8.35,46.59 8.29,46.54 7.38,46.54 7.25,46.67 v1(7.25,46.77) ; U125.52 36.35,30.59 36.29,30.54 35.38,30.54 35.25,30.67 v1(35.25,30.77) ; U127.52 50.35,30.59 50.29,30.54 49.38,30.54 49.25,30.67 v1(49.25,30.77) ; v1(63.25,14.77) 63.25,14.67 63.38,14.54 64.29,14.54 64.34,14.59 U139.52 ; U105.52 36.35,62.59 36.29,62.54 35.38,62.54 35.25,62.66 v1(35.25,62.77) ; v1(21.25,62.77) 21.25,62.66 21.38,62.54 22.29,62.54 22.35,62.59 U103.52 ; v1(49.25,46.77) 49.25,46.67 49.38,46.54 50.29,46.54 50.35,46.59 U117.52 ; U115.52 36.35,46.59 36.29,46.54 35.38,46.54 35.25,46.67 v1(35.25,46.77)
/pad_28: length 103.4
  Top w0.1: v1(33.16,14.22) 33.34,14.4 34.2,14.4 ; 62.2,14.4 61.34,14.4 v1(61.16,14.22) ; v1(61.16,30.22) 61.34,30.4 62.2,30.4 ; 6.2,62.4 5.34,62.4 v1(5.16,62.22) ; 34.2,62.4 33.34,62.4 v1(33.16,62.22) ; v1(19.16,30.22) 19.34,30.4 20.2,30.4 ; 48.2,62.4 47.34,62.4 v1(47.16,62.22) ; v1(47.16,14.22) 47.34,14.4 48.2,14.4 ; v1(5.16,14.22) 5.34,14.4 6.2,14.4 ; 48.2,30.4 47.34,30.4 v1(47.16,30.22) ; 34.2,30.4 33.34,30.4 v1(33.16,30.22) ; 62.2,62.4 61.34,62.4 v1(61.16,62.22) ; 6.2,30.4 5.34,30.4 v1(5.16,30.22) ; 20.2,14.4 19.34,14.4 v1(19.16,14.22) ; 6.2,46.4 5.34,46.4 v1(5.16,46.22) ; v1(19.16,62.22) 19.34,62.4 20.2,62.4 ; v1(19.16,46.22) 19.34,46.4 20.2,46.4 ; v1(61.16,46.22) 61.34,46.4 62.2,46.4 ; 48.2,46.4 47.34,46.4 v1(47.16,46.22) ; 34.2,46.4 33.34,46.4 v1(33.16,46.22)
  Bottom w0.1: U129.51 64.48,30.2 64.4,30.28 61.27,30.28 61.21,30.22 v1(61.16,30.22) ; v1(61.16,46.22) 61.21,46.22 61.27,46.28 64.4,46.28 64.48,46.2 U119.51 ; v1(5.16,14.22) 5.21,14.22 5.27,14.28 8.4,14.28 8.48,14.2 U131.51 ; v1(5.16,30.22) 5.21,30.22 5.27,30.28 8.4,30.28 8.48,30.2 U121.51 ; v1(33.16,14.22) 33.21,14.22 33.27,14.28 36.4,14.28 36.48,14.2 U135.51 ; v1(61.16,14.22) 61.21,14.22 61.27,14.28 64.4,14.28 64.48,14.2 U139.51 ; U107.51 50.48,62.2 50.4,62.28 47.27,62.28 47.21,62.22 v1(47.16,62.22) ; v1(5.16,46.22) 5.21,46.22 5.27,46.28 8.4,46.28 8.48,46.2 U111.51 ; v1(19.16,14.22) 19.21,14.22 19.27,14.28 22.4,14.28 22.48,14.2 U133.51 ; v1(47.16,46.22) 47.21,46.22 47.27,46.28 50.4,46.28 50.48,46.2 U117.51 ; U109.51 64.48,62.2 64.4,62.28 61.27,62.28 61.21,62.22 v1(61.16,62.22) ; U115.51 36.48,46.2 36.4,46.28 33.27,46.28 33.21,46.22 v1(33.16,46.22) ; v1(5.16,62.22) 5.21,62.22 5.27,62.28 8.4,62.28 8.48,62.2 U101.51 ; U125.51 36.48,30.2 36.4,30.28 33.27,30.28 33.21,30.22 v1(33.16,30.22) ; U113.51 22.48,46.2 22.4,46.28 19.27,46.28 19.21,46.22 v1(19.16,46.22) ; U103.51 22.48,62.2 22.4,62.28 19.27,62.28 19.21,62.22 v1(19.16,62.22) ; U137.51 50.48,14.2 50.4,14.28 47.27,14.28 47.21,14.22 v1(47.16,14.22) ; U105.51 36.48,62.2 36.4,62.28 33.27,62.28 33.21,62.22 v1(33.16,62.22) ; U127.51 50.48,30.2 50.4,30.28 47.27,30.28 47.21,30.22 v1(47.16,30.22) ; v1(19.16,30.22) 19.21,30.22 19.27,30.28 22.4,30.28 22.48,30.2 U123.51